# KiCad board panel_50_1.kicad_pcb (continued)
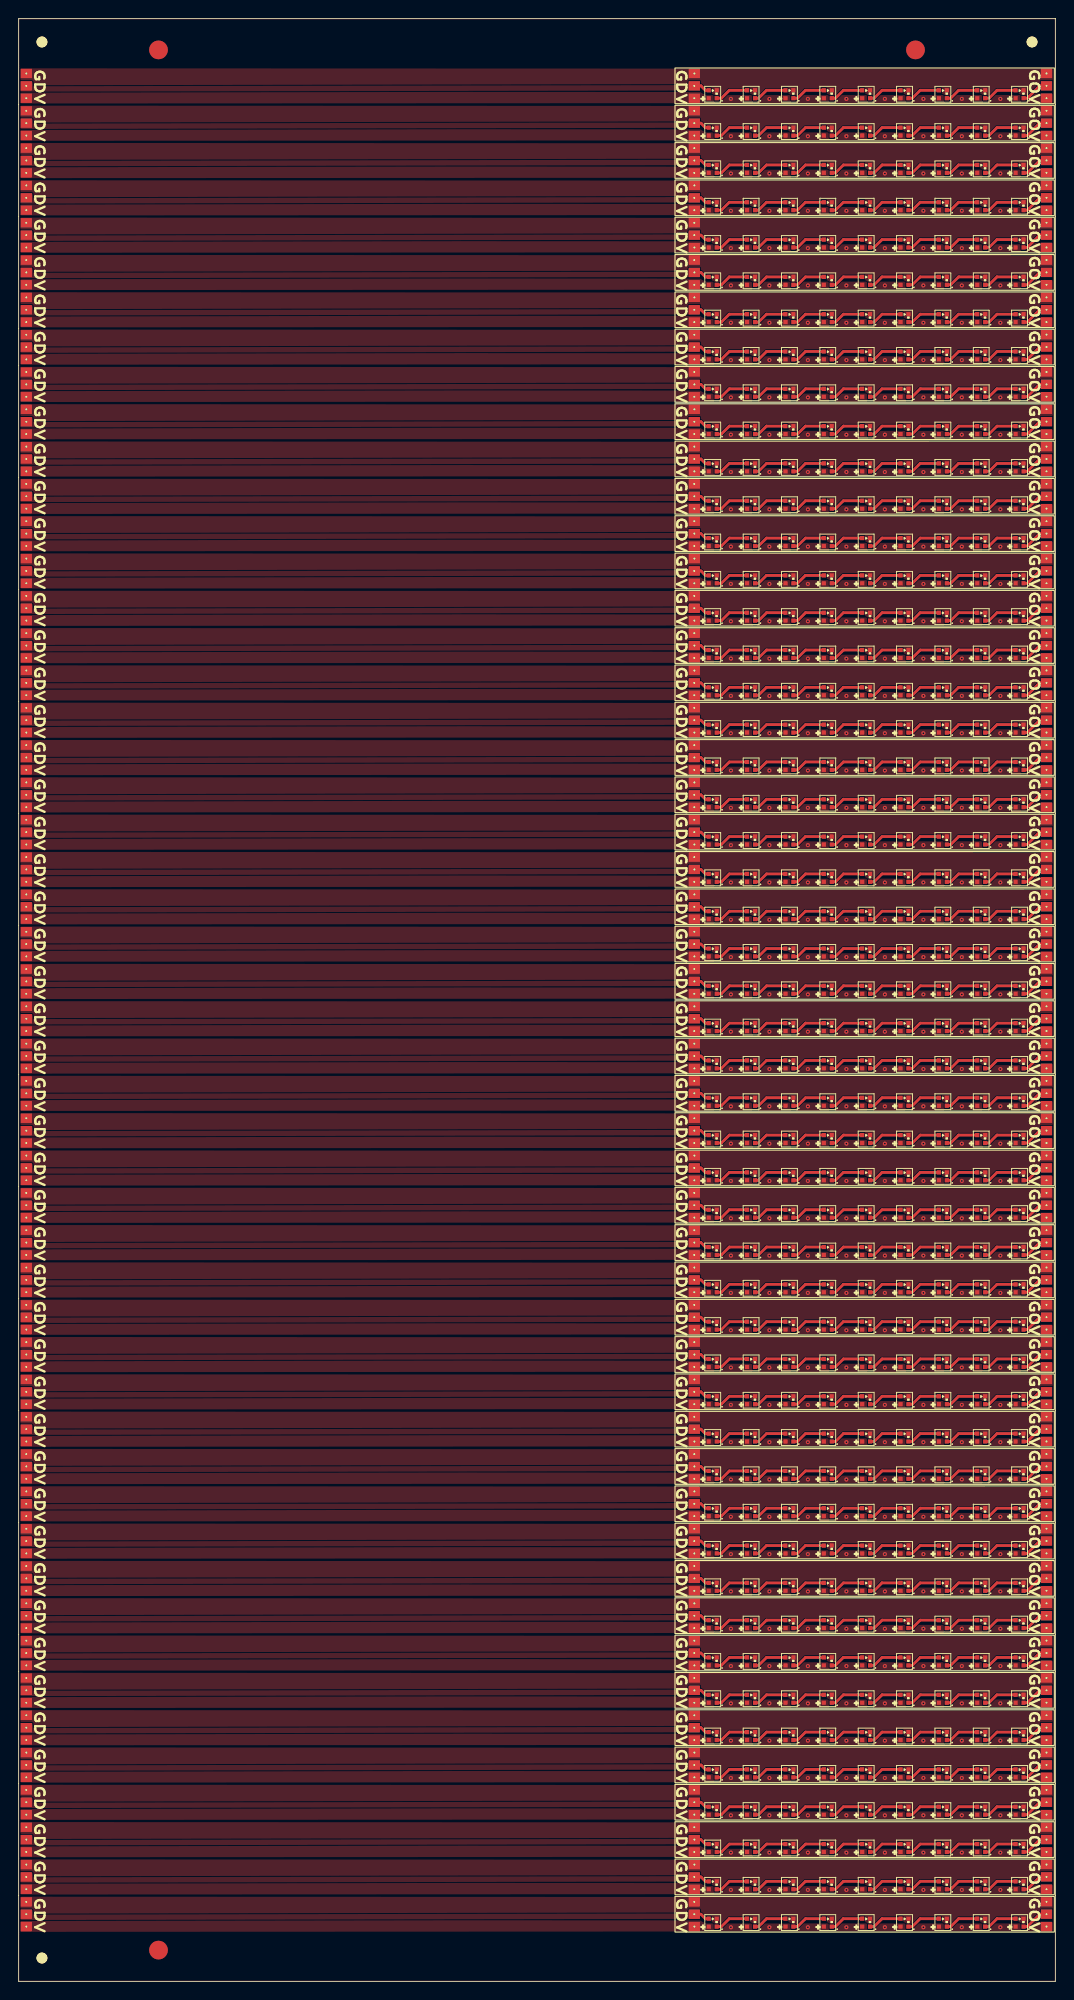
[diagram p0: board, top side]
## Library data of the parts
J1 J1#2-J1#50 J2 J2#2-J2#50 J3 J3#2-J3#50 J4 J4#2-J4#50 J5 J5#2-J5#50 J6 J6#2-J6#50 J7 J7#2-J7#50 J8 J8#2-J8#50 J9 J9#2-J9#50 = -: Description: Generic connector, single row, 01x01, script generated (kicad-library-utils/schlib/autogen/connector/)
U1 U1#2-U1#9 U1#12 U1#18 U1#24 U1#27-U1#29 U1#36 U1#42-U1#45 U1#48 U2 U2#2 U2#3 U2#8 U2#9 U2#13 U2#14 U2#18 U2#19 U2#24 U2#25 U2#29-U2#31 U2#33-U2#35 U2#38-U2#41 U2#43 U2#47 U2#50 U3 U3#3 U3#5 U3#6 U3#8 U3#10-U3#12 U3#18 U3#20 U3#22-U3#24 U3#26 U3#27 U3#32-U3#34 U3#38 U3#39 U3#42-U3#44 U3#47 U3#49 U3#50 U4 U4#2 U4#3 U4#8 U4#10 U4#12 U4#15 U4#16 U4#18 U4#20 U4#22 U4#23 U4#26 U4#27 U4#29 U4#30 U4#32 U4#37 U4#38 U4#43 U4#45-U4#49 U5#3 U5#4 U5#6-U5#11 U5#13 U5#14 U5#17 U5#20-U5#24 U5#28 U5#30-U5#33 U5#36 U5#38 U5#39 U5#43 U5#44 U5#46 U5#47 U5#49 U6 U6#3 U6#4 U6#6 U6#8 U6#9 U6#11 U6#13 U6#15 U6#18 U6#20 U6#22 U6#23 U6#26 U6#28 U6#31 U6#34 U6#38 U6#42 U6#44-U6#47 U6#50 U7 U7#2-U7#4 U7#6 U7#7 U7#10 U7#15 U7#16 U7#18-U7#21 U7#24 U7#28 U7#30 U7#33 U7#35-U7#37 U7#39 U7#40 U7#43 U7#44 U7#47-U7#50 U8#6-U8#8 U8#14-U8#16 U8#18 U8#20-U8#22 U8#25 U8#29 U8#32 U8#35-U8#38 U8#44 U8#46 U8#50 U9 U9#2 U9#4-U9#9 U9#14 U9#19 U9#20 U9#22 U9#23 U9#26-U9#31 U9#33 U9#35-U9#41 U9#45 U9#47 U9#49 = -: LCSC: C5349953; SuppliersPartNumber: C5349953; uuid: std:b345638697f54fed94b7ee83c7589e6a; Field7: DO; Field8: DI
U1#10 U1#11 U1#13-U1#17 U1#19-U1#23 U1#25 U1#26 U1#30-U1#35 U1#37-U1#41 U1#46 U1#47 U1#49 U1#50 U2#4-U2#7 U2#10-U2#12 U2#15-U2#17 U2#20-U2#23 U2#26-U2#28 U2#32 U2#36 U2#37 U2#42 U2#44-U2#46 U2#48 U2#49 U3#2 U3#4 U3#7 U3#9 U3#13-U3#17 U3#19 U3#21 U3#25 U3#28-U3#31 U3#35-U3#37 U3#40 U3#41 U3#45 U3#46 U3#48 U4#4-U4#7 U4#9 U4#11 U4#13 U4#14 U4#17 U4#19 U4#21 U4#24 U4#25 U4#28 U4#31 U4#33-U4#36 U4#39-U4#42 U4#44 U4#50 U5 U5#2 U5#5 U5#12 U5#15 U5#16 U5#18 U5#19 U5#25-U5#27 U5#29 U5#34 U5#35 U5#37 U5#40-U5#42 U5#45 U5#48 U5#50 U6#2 U6#5 U6#7 U6#10 U6#12 U6#14 U6#16 U6#17 U6#19 U6#21 U6#24 U6#25 U6#27 U6#29 U6#30 U6#32 U6#33 U6#35-U6#37 U6#39-U6#41 U6#43 U6#48 U6#49 U7#5 U7#8 U7#9 U7#11-U7#14 U7#17 U7#22 U7#23 U7#25-U7#27 U7#29 U7#31 U7#32 U7#34 U7#38 U7#41 U7#42 U7#45 U7#46 U8 U8#2-U8#5 U8#9-U8#13 U8#17 U8#19 U8#23 U8#24 U8#26-U8#28 U8#30 U8#31 U8#33 U8#34 U8#39-U8#43 U8#45 U8#47-U8#49 U9#3 U9#10-U9#13 U9#15-U9#18 U9#21 U9#24 U9#25 U9#32 U9#34 U9#42-U9#44 U9#46 U9#48 U9#50 = -: LCSC: C5349953; SuppliersPartNumber: C5349953; uuid: std:b345638697f54fed94b7ee83c7589e6a; Field7: DI; Field8: DO

## Footprints (pads in the part's own frame, mm; a bottom-side part is the same pattern mirrored in y, then rotated)
Fiducial
  round 2 smd: (0,0)
LED-SMD_4P-L1.0-W1.0-TL_XL-1010RGBC-WS2812B
  rect 0.45x0.45 smd: 1(-0.425,0.425) 2(0.425,0.425) 3(-0.425,-0.425) 4(0.425,-0.425)
NPTH
  round 1.152 hole 1.152 unplated: (0,0)
TH_Pads_1.2x1_P1.20mml
  rect 1.2x1 hole 0.2: 1(0,0)

## Nets
Board_0-+3V3: J1#19.1 J5#21.1 J7#39.1 U1#14.2 U2#46.2 U3#9.2 U4#33.2 U5#26.2 U6#37.2 U7#18.2 U8#3.2 U9#19.2
Board_0-GND: J2.1 J6#25.1 J8#36.1 U1#14.3 U2#46.3 U3#9.3 U4#33.3 U5#26.3 U6#37.3 U7#18.3 U8#3.3 U9#19.3
Board_0-LED_DATA: J3#39.1 J9#43.1 U1#14.4
Board_0-LED_OUT: J4#10.1 U9#19.1
Board_0-Net-(U1-DOUT): U1#14.1 U2#46.4
Board_0-Net-(U2-DOUT): U2#46.1 U3#9.4
Board_0-Net-(U3-DOUT): U3#9.1 U4#33.4
Board_0-Net-(U4-DOUT): U4#33.1 U5#26.4
Board_0-Net-(U5-DOUT): U5#26.1 U6#37.4
Board_0-Net-(U6-DOUT): U6#37.1 U7#18.4
Board_0-Net-(U7-DOUT): U7#18.1 U8#3.4
Board_0-Net-(U8-DOUT): U8#3.1 U9#19.4
Board_1-+3V3: J1.1 J5#12.1 J7#34.1 U1#34.2 U2#13.2 U3#46.2 U4#41.2 U5#2.2 U6#35.2 U7#14.2 U8#45.2 U9#46.2
Board_1-GND: J2#10.1 J6#45.1 J8#6.1 U1#34.3 U2#13.3 U3#46.3 U4#41.3 U5#2.3 U6#35.3 U7#14.3 U8#45.3 U9#46.3
Board_1-LED_DATA: J3#20.1 J9#32.1 U1#34.4
Board_1-LED_OUT: J4#45.1 U9#46.1
Board_1-Net-(U1-DOUT): U1#34.1 U2#13.4
Board_1-Net-(U2-DOUT): U2#13.1 U3#46.4
Board_1-Net-(U3-DOUT): U3#46.1 U4#41.4
Board_1-Net-(U4-DOUT): U4#41.1 U5#2.4
Board_1-Net-(U5-DOUT): U5#2.1 U6#35.4
Board_1-Net-(U6-DOUT): U6#35.1 U7#14.4
Board_1-Net-(U7-DOUT): U7#14.1 U8#45.4
Board_1-Net-(U8-DOUT): U8#45.1 U9#46.4
Board_2-+3V3: J1#30.1 J5#40.1 J7#18.1 U1#29.2 U2#2.2 U3#24.2 U4#40.2 U5#12.2 U6#7.2 U7#28.2 U8#18.2 U9#45.2
Board_2-GND: J2#13.1 J6#41.1 J8#14.1 U1#29.3 U2#2.3 U3#24.3 U4#40.3 U5#12.3 U6#7.3 U7#28.3 U8#18.3 U9#45.3
Board_2-LED_DATA: J3#6.1 J9#45.1 U1#29.4
Board_2-LED_OUT: J4#40.1 U9#45.1
Board_2-Net-(U1-DOUT): U1#29.1 U2#2.4
Board_2-Net-(U2-DOUT): U2#2.1 U3#24.4
Board_2-Net-(U3-DOUT): U3#24.1 U4#40.4
Board_2-Net-(U4-DOUT): U4#40.1 U5#12.4
Board_2-Net-(U5-DOUT): U5#12.1 U6#7.4
Board_2-Net-(U6-DOUT): U6#7.1 U7#28.4
Board_2-Net-(U7-DOUT): U7#28.1 U8#18.4
Board_2-Net-(U8-DOUT): U8#18.1 U9#45.4
Board_3-+3V3: J1#47.1 J5#7.1 J7#36.1 U1#39.2 U2#50.2 U3#45.2 U4#7.2 U5#23.2 U6#14.2 U7#49.2 U8#34.2 U9#30.2
Board_3-GND: J2#18.1 J6#14.1 J8#2.1 U1#39.3 U2#50.3 U3#45.3 U4#7.3 U5#23.3 U6#14.3 U7#49.3 U8#34.3 U9#30.3
Board_3-LED_DATA: J3#13.1 J9#29.1 U1#39.4
Board_3-LED_OUT: J4#33.1 U9#30.1
Board_3-Net-(U1-DOUT): U1#39.1 U2#50.4
Board_3-Net-(U2-DOUT): U2#50.1 U3#45.4
Board_3-Net-(U3-DOUT): U3#45.1 U4#7.4
Board_3-Net-(U4-DOUT): U4#7.1 U5#23.4
Board_3-Net-(U5-DOUT): U5#23.1 U6#14.4
Board_3-Net-(U6-DOUT): U6#14.1 U7#49.4
Board_3-Net-(U7-DOUT): U7#49.1 U8#34.4
Board_3-Net-(U8-DOUT): U8#34.1 U9#30.4
Board_4-+3V3: J1#33.1 J5#38.1 J7#40.1 U1.2 U2#48.2 U3#25.2 U4#2.2 U5#38.2 U6#49.2 U7#8.2 U8#5.2 U9#15.2
Board_4-GND: J2#8.1 J6#18.1 J8#16.1 U1.3 U2#48.3 U3#25.3 U4#2.3 U5#38.3 U6#49.3 U7#8.3 U8#5.3 U9#15.3
Board_4-LED_DATA: J3#48.1 J9#25.1 U1.4
Board_4-LED_OUT: J4#27.1 U9#15.1
Board_4-Net-(U1-DOUT): U1.1 U2#48.4
Board_4-Net-(U2-DOUT): U2#48.1 U3#25.4
Board_4-Net-(U3-DOUT): U3#25.1 U4#2.4
Board_4-Net-(U4-DOUT): U4#2.1 U5#38.4
Board_4-Net-(U5-DOUT): U5#38.1 U6#49.4
Board_4-Net-(U6-DOUT): U6#49.1 U7#8.4
Board_4-Net-(U7-DOUT): U7#8.1 U8#5.4
Board_4-Net-(U8-DOUT): U8#5.1 U9#15.4
Board_5-+3V3: J1#15.1 J5#23.1 J7#47.1 U1#45.2 U2.2 U3#26.2 U4#13.2 U5#48.2 U6#42.2 U7#10.2 U8.2 U9#35.2
Board_5-GND: J2#14.1 J6#16.1 J8#41.1 U1#45.3 U2.3 U3#26.3 U4#13.3 U5#48.3 U6#42.3 U7#10.3 U8.3 U9#35.3
Board_5-LED_DATA: J3#34.1 J9#13.1 U1#45.4
Board_5-LED_OUT: J4#9.1 U9#35.1
Board_5-Net-(U1-DOUT): U1#45.1 U2.4
Board_5-Net-(U2-DOUT): U2.1 U3#26.4
Board_5-Net-(U3-DOUT): U3#26.1 U4#13.4
Board_5-Net-(U4-DOUT): U4#13.1 U5#48.4
Board_5-Net-(U5-DOUT): U5#48.1 U6#42.4
Board_5-Net-(U6-DOUT): U6#42.1 U7#10.4
Board_5-Net-(U7-DOUT): U7#10.1 U8.4
Board_5-Net-(U8-DOUT): U8.1 U9#35.4
Board_6-+3V3: J1#38.1 J5#50.1 J7#37.1 U1#11.2 U2#24.2 U3#17.2 U4#17.2 U5#10.2 U6.2 U7#36.2 U8#37.2 U9#27.2
Board_6-GND: J2#4.1 J6#26.1 J8#18.1 U1#11.3 U2#24.3 U3#17.3 U4#17.3 U5#10.3 U6.3 U7#36.3 U8#37.3 U9#27.3
Board_6-LED_DATA: J3#23.1 J9#20.1 U1#11.4
Board_6-LED_OUT: J4#5.1 U9#27.1
Board_6-Net-(U1-DOUT): U1#11.1 U2#24.4
Board_6-Net-(U2-DOUT): U2#24.1 U3#17.4
Board_6-Net-(U3-DOUT): U3#17.1 U4#17.4
Board_6-Net-(U4-DOUT): U4#17.1 U5#10.4
Board_6-Net-(U5-DOUT): U5#10.1 U6.4
Board_6-Net-(U6-DOUT): U6.1 U7#36.4
Board_6-Net-(U7-DOUT): U7#36.1 U8#37.4
Board_6-Net-(U8-DOUT): U8#37.1 U9#27.4
Board_7-+3V3: J1#18.1 J5#9.1 J7#49.1 U1#30.2 U2#23.2 U3#30.2 U4#49.2 U5.2 U6#41.2 U7.2 U8#17.2 U9#5.2
Board_7-GND: J2#32.1 J6#2.1 J8#17.1 U1#30.3 U2#23.3 U3#30.3 U4#49.3 U5.3 U6#41.3 U7.3 U8#17.3 U9#5.3
Board_7-LED_DATA: J3#26.1 J9#9.1 U1#30.4
Board_7-LED_OUT: J4#30.1 U9#5.1
Board_7-Net-(U1-DOUT): U1#30.1 U2#23.4
Board_7-Net-(U2-DOUT): U2#23.1 U3#30.4
Board_7-Net-(U3-DOUT): U3#30.1 U4#49.4
Board_7-Net-(U4-DOUT): U4#49.1 U5.4
Board_7-Net-(U5-DOUT): U5.1 U6#41.4
Board_7-Net-(U6-DOUT): U6#41.1 U7.4
Board_7-Net-(U7-DOUT): U7.1 U8#17.4
Board_7-Net-(U8-DOUT): U8#17.1 U9#5.4
Board_8-+3V3: J1#25.1 J5#49.1 J7#50.1 U1#15.2 U2#16.2 U3#38.2 U4#43.2 U5#17.2 U6#8.2 U7#19.2 U8#16.2 U9#22.2
Board_8-GND: J2#41.1 J6#9.1 J8#32.1 U1#15.3 U2#16.3 U3#38.3 U4#43.3 U5#17.3 U6#8.3 U7#19.3 U8#16.3 U9#22.3
Board_8-LED_DATA: J3#32.1 J9#47.1 U1#15.4
Board_8-LED_OUT: J4#32.1 U9#22.1
Board_8-Net-(U1-DOUT): U1#15.1 U2#16.4
Board_8-Net-(U2-DOUT): U2#16.1 U3#38.4
Board_8-Net-(U3-DOUT): U3#38.1 U4#43.4
Board_8-Net-(U4-DOUT): U4#43.1 U5#17.4
Board_8-Net-(U5-DOUT): U5#17.1 U6#8.4
Board_8-Net-(U6-DOUT): U6#8.1 U7#19.4
Board_8-Net-(U7-DOUT): U7#19.1 U8#16.4
Board_8-Net-(U8-DOUT): U8#16.1 U9#22.4
Board_9-+3V3: J1#43.1 J5#36.1 J7#10.1 U1#46.2 U2#3.2 U3#39.2 U4#29.2 U5#31.2 U6#6.2 U7#41.2 U8#6.2 U9#28.2
Board_9-GND: J2#46.1 J6#21.1 J8#34.1 U1#46.3 U2#3.3 U3#39.3 U4#29.3 U5#31.3 U6#6.3 U7#41.3 U8#6.3 U9#28.3
Board_9-LED_DATA: J3#15.1 J9#46.1 U1#46.4
Board_9-LED_OUT: J4#31.1 U9#28.1
Board_9-Net-(U1-DOUT): U1#46.1 U2#3.4
Board_9-Net-(U2-DOUT): U2#3.1 U3#39.4
Board_9-Net-(U3-DOUT): U3#39.1 U4#29.4
Board_9-Net-(U4-DOUT): U4#29.1 U5#31.4
Board_9-Net-(U5-DOUT): U5#31.1 U6#6.4
Board_9-Net-(U6-DOUT): U6#6.1 U7#41.4
Board_9-Net-(U7-DOUT): U7#41.1 U8#6.4
Board_9-Net-(U8-DOUT): U8#6.1 U9#28.4
Board_10-+3V3: J1#42.1 J5#35.1 J7#20.1 U1#9.2 U2#10.2 U3#43.2 U4#39.2 U5#15.2 U6#17.2 U7#5.2 U8#21.2 U9.2
Board_10-GND: J2#11.1 J6#40.1 J8#11.1 U1#9.3 U2#10.3 U3#43.3 U4#39.3 U5#15.3 U6#17.3 U7#5.3 U8#21.3 U9.3
Board_10-LED_DATA: J3#35.1 J9#36.1 U1#9.4
Board_10-LED_OUT: J4#48.1 U9.1
Board_10-Net-(U1-DOUT): U1#9.1 U2#10.4
Board_10-Net-(U2-DOUT): U2#10.1 U3#43.4
Board_10-Net-(U3-DOUT): U3#43.1 U4#39.4
Board_10-Net-(U4-DOUT): U4#39.1 U5#15.4
Board_10-Net-(U5-DOUT): U5#15.1 U6#17.4
Board_10-Net-(U6-DOUT): U6#17.1 U7#5.4
Board_10-Net-(U7-DOUT): U7#5.1 U8#21.4
Board_10-Net-(U8-DOUT): U8#21.1 U9.4
Board_11-+3V3: J1#5.1 J5#33.1 J7#11.1 U1#28.2 U2#34.2 U3#32.2 U4#37.2 U5#39.2 U6#26.2 U7#43.2 U8#40.2 U9#37.2
Board_11-GND: J2#7.1 J6#5.1 J8#30.1 U1#28.3 U2#34.3 U3#32.3 U4#37.3 U5#39.3 U6#26.3 U7#43.3 U8#40.3 U9#37.3
Board_11-LED_DATA: J3#38.1 J9#44.1 U1#28.4
Board_11-LED_OUT: J4#49.1 U9#37.1
Board_11-Net-(U1-DOUT): U1#28.1 U2#34.4
Board_11-Net-(U2-DOUT): U2#34.1 U3#32.4
Board_11-Net-(U3-DOUT): U3#32.1 U4#37.4
Board_11-Net-(U4-DOUT): U4#37.1 U5#39.4
Board_11-Net-(U5-DOUT): U5#39.1 U6#26.4
Board_11-Net-(U6-DOUT): U6#26.1 U7#43.4
Board_11-Net-(U7-DOUT): U7#43.1 U8#40.4
Board_11-Net-(U8-DOUT): U8#40.1 U9#37.4
Board_12-+3V3: J1#29.1 J5#34.1 J7#8.1 U1#12.2 U2#18.2 U3#48.2 U4#30.2 U5#49.2 U6#22.2 U7#17.2 U8#29.2 U9#7.2
Board_12-GND: J2#28.1 J6#47.1 J8#12.1 U1#12.3 U2#18.3 U3#48.3 U4#30.3 U5#49.3 U6#22.3 U7#17.3 U8#29.3 U9#7.3
Board_12-LED_DATA: J3#2.1 J9#10.1 U1#12.4
Board_12-LED_OUT: J4#21.1 U9#7.1
Board_12-Net-(U1-DOUT): U1#12.1 U2#18.4
Board_12-Net-(U2-DOUT): U2#18.1 U3#48.4
Board_12-Net-(U3-DOUT): U3#48.1 U4#30.4
Board_12-Net-(U4-DOUT): U4#30.1 U5#49.4
Board_12-Net-(U5-DOUT): U5#49.1 U6#22.4
Board_12-Net-(U6-DOUT): U6#22.1 U7#17.4
Board_12-Net-(U7-DOUT): U7#17.1 U8#29.4
Board_12-Net-(U8-DOUT): U8#29.1 U9#7.4
Board_13-+3V3: J1#14.1 J5#11.1 J7#13.1 U1#31.2 U2#5.2 U3#50.2 U4#5.2 U5#34.2 U6#40.2 U7#33.2 U8#11.2 U9#48.2
Board_13-GND: J2#37.1 J6#31.1 J8#44.1 U1#31.3 U2#5.3 U3#50.3 U4#5.3 U5#34.3 U6#40.3 U7#33.3 U8#11.3 U9#48.3
Board_13-LED_DATA: J3#24.1 J9#15.1 U1#31.4
Board_13-LED_OUT: J4#35.1 U9#48.1
Board_13-Net-(U1-DOUT): U1#31.1 U2#5.4
Board_13-Net-(U2-DOUT): U2#5.1 U3#50.4
Board_13-Net-(U3-DOUT): U3#50.1 U4#5.4
Board_13-Net-(U4-DOUT): U4#5.1 U5#34.4
Board_13-Net-(U5-DOUT): U5#34.1 U6#40.4
Board_13-Net-(U6-DOUT): U6#40.1 U7#33.4
Board_13-Net-(U7-DOUT): U7#33.1 U8#11.4
Board_13-Net-(U8-DOUT): U8#11.1 U9#48.4
Board_14-+3V3: J1#22.1 J5#10.1 J7#2.1 U1#4.2 U2#7.2 U3#41.2 U4#26.2 U5#4.2 U6#27.2 U7#25.2 U8#26.2 U9#47.2
Board_14-GND: J2#39.1 J6#39.1 J8#22.1 U1#4.3 U2#7.3 U3#41.3 U4#26.3 U5#4.3 U6#27.3 U7#25.3 U8#26.3 U9#47.3
Board_14-LED_DATA: J3#7.1 J9#17.1 U1#4.4
Board_14-LED_OUT: J4#2.1 U9#47.1
Board_14-Net-(U1-DOUT): U1#4.1 U2#7.4
Board_14-Net-(U2-DOUT): U2#7.1 U3#41.4
Board_14-Net-(U3-DOUT): U3#41.1 U4#26.4
Board_14-Net-(U4-DOUT): U4#26.1 U5#4.4
Board_14-Net-(U5-DOUT): U5#4.1 U6#27.4
Board_14-Net-(U6-DOUT): U6#27.1 U7#25.4
Board_14-Net-(U7-DOUT): U7#25.1 U8#26.4
Board_14-Net-(U8-DOUT): U8#26.1 U9#47.4
Board_15-+3V3: J1#32.1 J5#6.1 J7#14.1 U1#7.2 U2#26.2 U3#10.2 U4.2 U5#29.2 U6#19.2 U7#3.2 U8#39.2 U9#50.2
Board_15-GND: J2#21.1 J6#17.1 J8#4.1 U1#7.3 U2#26.3 U3#10.3 U4.3 U5#29.3 U6#19.3 U7#3.3 U8#39.3 U9#50.3
Board_15-LED_DATA: J3#21.1 J9#11.1 U1#7.4
Board_15-LED_OUT: J4#23.1 U9#50.1
Board_15-Net-(U1-DOUT): U1#7.1 U2#26.4
Board_15-Net-(U2-DOUT): U2#26.1 U3#10.4
Board_15-Net-(U3-DOUT): U3#10.1 U4.4
Board_15-Net-(U4-DOUT): U4.1 U5#29.4
Board_15-Net-(U5-DOUT): U5#29.1 U6#19.4
Board_15-Net-(U6-DOUT): U6#19.1 U7#3.4
Board_15-Net-(U7-DOUT): U7#3.1 U8#39.4
Board_15-Net-(U8-DOUT): U8#39.1 U9#50.4
Board_16-+3V3: J1#34.1 J5#27.1 J7.1 U1#24.2 U2#6.2 U3#12.2 U4#12.2 U5#24.2 U6#3.2 U7#50.2 U8#35.2 U9#24.2
Board_16-GND: J2#49.1 J6#24.1 J8#43.1 U1#24.3 U2#6.3 U3#12.3 U4#12.3 U5#24.3 U6#3.3 U7#50.3 U8#35.3 U9#24.3
Board_16-LED_DATA: J3#29.1 J9#30.1 U1#24.4
Board_16-LED_OUT: J4#12.1 U9#24.1
Board_16-Net-(U1-DOUT): U1#24.1 U2#6.4
Board_16-Net-(U2-DOUT): U2#6.1 U3#12.4
Board_16-Net-(U3-DOUT): U3#12.1 U4#12.4
Board_16-Net-(U4-DOUT): U4#12.1 U5#24.4
Board_16-Net-(U5-DOUT): U5#24.1 U6#3.4
Board_16-Net-(U6-DOUT): U6#3.1 U7#50.4
Board_16-Net-(U7-DOUT): U7#50.1 U8#35.4
Board_16-Net-(U8-DOUT): U8#35.1 U9#24.4
Board_17-+3V3: J1#20.1 J5#22.1 J7#35.1 U1#40.2 U2#17.2 U3.2 U4#15.2 U5#50.2 U6#50.2 U7#2.2 U8#25.2 U9#36.2
Board_17-GND: J2#26.1 J6#38.1 J8#49.1 U1#40.3 U2#17.3 U3.3 U4#15.3 U5#50.3 U6#50.3 U7#2.3 U8#25.3 U9#36.3
Board_17-LED_DATA: J3#37.1 J9#26.1 U1#40.4
Board_17-LED_OUT: J4#44.1 U9#36.1
Board_17-Net-(U1-DOUT): U1#40.1 U2#17.4
Board_17-Net-(U2-DOUT): U2#17.1 U3.4
Board_17-Net-(U3-DOUT): U3.1 U4#15.4
Board_17-Net-(U4-DOUT): U4#15.1 U5#50.4
Board_17-Net-(U5-DOUT): U5#50.1 U6#50.4
Board_17-Net-(U6-DOUT): U6#50.1 U7#2.4
Board_17-Net-(U7-DOUT): U7#2.1 U8#25.4
Board_17-Net-(U8-DOUT): U8#25.1 U9#36.4
Board_18-+3V3: J1#8.1 J5#46.1 J7#24.1 U1#43.2 U2#30.2 U3#16.2 U4#18.2 U5#16.2 U6#10.2 U7#11.2 U8#27.2 U9#49.2
Board_18-GND: J2#40.1 J6#42.1 J8#7.1 U1#43.3 U2#30.3 U3#16.3 U4#18.3 U5#16.3 U6#10.3 U7#11.3 U8#27.3 U9#49.3
Board_18-LED_DATA: J3#33.1 J9#31.1 U1#43.4
Board_18-LED_OUT: J4#6.1 U9#49.1
Board_18-Net-(U1-DOUT): U1#43.1 U2#30.4
Board_18-Net-(U2-DOUT): U2#30.1 U3#16.4
Board_18-Net-(U3-DOUT): U3#16.1 U4#18.4
Board_18-Net-(U4-DOUT): U4#18.1 U5#16.4
Board_18-Net-(U5-DOUT): U5#16.1 U6#10.4
Board_18-Net-(U6-DOUT): U6#10.1 U7#11.4
Board_18-Net-(U7-DOUT): U7#11.1 U8#27.4
Board_18-Net-(U8-DOUT): U8#27.1 U9#49.4
Board_19-+3V3: J1#28.1 J5#5.1 J7#23.1 U1#26.2 U2#25.2 U3#35.2 U4#50.2 U5#13.2 U6#31.2 U7#26.2 U8#30.2 U9#3.2
Board_19-GND: J2#9.1 J6#48.1 J8#28.1 U1#26.3 U2#25.3 U3#35.3 U4#50.3 U5#13.3 U6#31.3 U7#26.3 U8#30.3 U9#3.3
Board_19-LED_DATA: J3#31.1 J9#6.1 U1#26.4
Board_19-LED_OUT: J4#38.1 U9#3.1
Board_19-Net-(U1-DOUT): U1#26.1 U2#25.4
Board_19-Net-(U2-DOUT): U2#25.1 U3#35.4
Board_19-Net-(U3-DOUT): U3#35.1 U4#50.4
Board_19-Net-(U4-DOUT): U4#50.1 U5#13.4
Board_19-Net-(U5-DOUT): U5#13.1 U6#31.4
Board_19-Net-(U6-DOUT): U6#31.1 U7#26.4
Board_19-Net-(U7-DOUT): U7#26.1 U8#30.4
Board_19-Net-(U8-DOUT): U8#30.1 U9#3.4
Board_20-+3V3: J1#10.1 J5#39.1 J7#3.1 U1#44.2 U2#45.2 U3#42.2 U4#46.2 U5#41.2 U6#18.2 U7#42.2 U8#2.2 U9#6.2
Board_20-GND: J2#31.1 J6#7.1 J8#25.1 U1#44.3 U2#45.3 U3#42.3 U4#46.3 U5#41.3 U6#18.3 U7#42.3 U8#2.3 U9#6.3
Board_20-LED_DATA: J3#10.1 J9#3.1 U1#44.4
Board_20-LED_OUT: J4#50.1 U9#6.1
Board_20-Net-(U1-DOUT): U1#44.1 U2#45.4
Board_20-Net-(U2-DOUT): U2#45.1 U3#42.4
Board_20-Net-(U3-DOUT): U3#42.1 U4#46.4
Board_20-Net-(U4-DOUT): U4#46.1 U5#41.4
Board_20-Net-(U5-DOUT): U5#41.1 U6#18.4
Board_20-Net-(U6-DOUT): U6#18.1 U7#42.4
Board_20-Net-(U7-DOUT): U7#42.1 U8#2.4
Board_20-Net-(U8-DOUT): U8#2.1 U9#6.4
Board_21-+3V3: J1#40.1 J5.1 J7#6.1 U1#27.2 U2#32.2 U3#40.2 U4#28.2 U5#42.2 U6#34.2 U7#35.2 U8#49.2 U9#2.2
Board_21-GND: J2#35.1 J6#6.1 J8#20.1 U1#27.3 U2#32.3 U3#40.3 U4#28.3 U5#42.3 U6#34.3 U7#35.3 U8#49.3 U9#2.3
Board_21-LED_DATA: J3#25.1 J9#34.1 U1#27.4
Board_21-LED_OUT: J4.1 U9#2.1
Board_21-Net-(U1-DOUT): U1#27.1 U2#32.4
Board_21-Net-(U2-DOUT): U2#32.1 U3#40.4
Board_21-Net-(U3-DOUT): U3#40.1 U4#28.4
Board_21-Net-(U4-DOUT): U4#28.1 U5#42.4
Board_21-Net-(U5-DOUT): U5#42.1 U6#34.4
Board_21-Net-(U6-DOUT): U6#34.1 U7#35.4
Board_21-Net-(U7-DOUT): U7#35.1 U8#49.4
Board_21-Net-(U8-DOUT): U8#49.1 U9#2.4
Board_22-+3V3: J1#48.1 J5#30.1 J7#43.1 U1#41.2 U2#31.2 U3#44.2 U4#4.2 U5#20.2 U6#33.2 U7#21.2 U8#4.2 U9#34.2
Board_22-GND: J2#43.1 J6#12.1 J8#27.1 U1#41.3 U2#31.3 U3#44.3 U4#4.3 U5#20.3 U6#33.3 U7#21.3 U8#4.3 U9#34.3
Board_22-LED_DATA: J3#4.1 J9#39.1 U1#41.4
Board_22-LED_OUT: J4#37.1 U9#34.1
Board_22-Net-(U1-DOUT): U1#41.1 U2#31.4
Board_22-Net-(U2-DOUT): U2#31.1 U3#44.4
Board_22-Net-(U3-DOUT): U3#44.1 U4#4.4
Board_22-Net-(U4-DOUT): U4#4.1 U5#20.4
Board_22-Net-(U5-DOUT): U5#20.1 U6#33.4
Board_22-Net-(U6-DOUT): U6#33.1 U7#21.4
Board_22-Net-(U7-DOUT): U7#21.1 U8#4.4
Board_22-Net-(U8-DOUT): U8#4.1 U9#34.4
Board_23-+3V3: J1#36.1 J5#43.1 J7#15.1 U1#3.2 U2#49.2 U3#21.2 U4#19.2 U5#18.2 U6#29.2 U7#32.2 U8#15.2 U9#18.2
Board_23-GND: J2#24.1 J6#34.1 J8#24.1 U1#3.3 U2#49.3 U3#21.3 U4#19.3 U5#18.3 U6#29.3 U7#32.3 U8#15.3 U9#18.3
Board_23-LED_DATA: J3#12.1 J9#41.1 U1#3.4
Board_23-LED_OUT: J4#39.1 U9#18.1
Board_23-Net-(U1-DOUT): U1#3.1 U2#49.4
Board_23-Net-(U2-DOUT): U2#49.1 U3#21.4
Board_23-Net-(U3-DOUT): U3#21.1 U4#19.4
Board_23-Net-(U4-DOUT): U4#19.1 U5#18.4
Board_23-Net-(U5-DOUT): U5#18.1 U6#29.4
Board_23-Net-(U6-DOUT): U6#29.1 U7#32.4
Board_23-Net-(U7-DOUT): U7#32.1 U8#15.4
Board_23-Net-(U8-DOUT): U8#15.1 U9#18.4
Board_24-+3V3: J1#7.1 J5#28.1 J7#28.1 U1#2.2 U2#27.2 U3#2.2 U4#20.2 U5#43.2 U6#9.2 U7#9.2 U8#50.2 U9#8.2
Board_24-GND: J2#2.1 J6#32.1 J8#31.1 U1#2.3 U2#27.3 U3#2.3 U4#20.3 U5#43.3 U6#9.3 U7#9.3 U8#50.3 U9#8.3
Board_24-LED_DATA: J3#14.1 J9#42.1 U1#2.4
Board_24-LED_OUT: J4#7.1 U9#8.1
Board_24-Net-(U1-DOUT): U1#2.1 U2#27.4
Board_24-Net-(U2-DOUT): U2#27.1 U3#2.4
Board_24-Net-(U3-DOUT): U3#2.1 U4#20.4
Board_24-Net-(U4-DOUT): U4#20.1 U5#43.4
Board_24-Net-(U5-DOUT): U5#43.1 U6#9.4
Board_24-Net-(U6-DOUT): U6#9.1 U7#9.4
Board_24-Net-(U7-DOUT): U7#9.1 U8#50.4
Board_24-Net-(U8-DOUT): U8#50.1 U9#8.4
Board_25-+3V3: J1#24.1 J5#24.1 J7#45.1 U1#19.2 U2#36.2 U3#37.2 U4#14.2 U5#32.2 U6#30.2 U7#29.2 U8#14.2 U9#12.2
Board_25-GND: J2#34.1 J6#36.1 J8#38.1 U1#19.3 U2#36.3 U3#37.3 U4#14.3 U5#32.3 U6#30.3 U7#29.3 U8#14.3 U9#12.3
Board_25-LED_DATA: J3#27.1 J9#12.1 U1#19.4
Board_25-LED_OUT: J4#25.1 U9#12.1
Board_25-Net-(U1-DOUT): U1#19.1 U2#36.4
Board_25-Net-(U2-DOUT): U2#36.1 U3#37.4
Board_25-Net-(U3-DOUT): U3#37.1 U4#14.4
Board_25-Net-(U4-DOUT): U4#14.1 U5#32.4
Board_25-Net-(U5-DOUT): U5#32.1 U6#30.4
Board_25-Net-(U6-DOUT): U6#30.1 U7#29.4
Board_25-Net-(U7-DOUT): U7#29.1 U8#14.4
Board_25-Net-(U8-DOUT): U8#14.1 U9#12.4
Board_26-+3V3: J1#9.1 J5#44.1 J7#25.1 U1#36.2 U2#19.2 U3#31.2 U4#27.2 U5#47.2 U6#39.2 U7#15.2 U8#47.2 U9#25.2
Board_26-GND: J2#30.1 J6#8.1 J8#33.1 U1#36.3 U2#19.3 U3#31.3 U4#27.3 U5#47.3 U6#39.3 U7#15.3 U8#47.3 U9#25.3
Board_26-LED_DATA: J3#49.1 J9#38.1 U1#36.4
Board_26-LED_OUT: J4#28.1 U9#25.1
Board_26-Net-(U1-DOUT): U1#36.1 U2#19.4
Board_26-Net-(U2-DOUT): U2#19.1 U3#31.4
Board_26-Net-(U3-DOUT): U3#31.1 U4#27.4
Board_26-Net-(U4-DOUT): U4#27.1 U5#47.4
Board_26-Net-(U5-DOUT): U5#47.1 U6#39.4
Board_26-Net-(U6-DOUT): U6#39.1 U7#15.4
Board_26-Net-(U7-DOUT): U7#15.1 U8#47.4
Board_26-Net-(U8-DOUT): U8#47.1 U9#25.4
Board_27-+3V3: J1#35.1 J5#3.1 J7#31.1 U1#18.2 U2#12.2 U3#29.2 U4#22.2 U5#33.2 U6#16.2 U7#34.2 U8#36.2 U9#16.2
Board_27-GND: J2#23.1 J6#22.1 J8#42.1 U1#18.3 U2#12.3 U3#29.3 U4#22.3 U5#33.3 U6#16.3 U7#34.3 U8#36.3 U9#16.3
Board_27-LED_DATA: J3.1 J9#23.1 U1#18.4
Board_27-LED_OUT: J4#20.1 U9#16.1
Board_27-Net-(U1-DOUT): U1#18.1 U2#12.4
Board_27-Net-(U2-DOUT): U2#12.1 U3#29.4
Board_27-Net-(U3-DOUT): U3#29.1 U4#22.4
Board_27-Net-(U4-DOUT): U4#22.1 U5#33.4
Board_27-Net-(U5-DOUT): U5#33.1 U6#16.4
Board_27-Net-(U6-DOUT): U6#16.1 U7#34.4
Board_27-Net-(U7-DOUT): U7#34.1 U8#36.4
Board_27-Net-(U8-DOUT): U8#36.1 U9#16.4
Board_28-+3V3: J1#44.1 J5#18.1 J7#42.1 U1#47.2 U2#20.2 U3#8.2 U4#16.2 U5#9.2 U6#11.2 U7#38.2 U8#7.2 U9#21.2
Board_28-GND: J2#38.1 J6#46.1 J8#26.1 U1#47.3 U2#20.3 U3#8.3 U4#16.3 U5#9.3 U6#11.3 U7#38.3 U8#7.3 U9#21.3
Board_28-LED_DATA: J3#3.1 J9#37.1 U1#47.4
Board_28-LED_OUT: J4#34.1 U9#21.1
Board_28-Net-(U1-DOUT): U1#47.1 U2#20.4
Board_28-Net-(U2-DOUT): U2#20.1 U3#8.4
Board_28-Net-(U3-DOUT): U3#8.1 U4#16.4
Board_28-Net-(U4-DOUT): U4#16.1 U5#9.4
Board_28-Net-(U5-DOUT): U5#9.1 U6#11.4
Board_28-Net-(U6-DOUT): U6#11.1 U7#38.4
Board_28-Net-(U7-DOUT): U7#38.1 U8#7.4
Board_28-Net-(U8-DOUT): U8#7.1 U9#21.4
Board_29-+3V3: J1#2.1 J5#19.1 J7#19.1 U1#22.2 U2#33.2 U3#27.2 U4#8.2 U5#6.2 U6#45.2 U7#39.2 U8#10.2 U9#32.2
Board_29-GND: J2#3.1 J6#43.1 J8#29.1 U1#22.3 U2#33.3 U3#27.3 U4#8.3 U5#6.3 U6#45.3 U7#39.3 U8#10.3 U9#32.3
Board_29-LED_DATA: J3#44.1 J9#5.1 U1#22.4
Board_29-LED_OUT: J4#41.1 U9#32.1
Board_29-Net-(U1-DOUT): U1#22.1 U2#33.4
Board_29-Net-(U2-DOUT): U2#33.1 U3#27.4
Board_29-Net-(U3-DOUT): U3#27.1 U4#8.4
Board_29-Net-(U4-DOUT): U4#8.1 U5#6.4
Board_29-Net-(U5-DOUT): U5#6.1 U6#45.4
Board_29-Net-(U6-DOUT): U6#45.1 U7#39.4
Board_29-Net-(U7-DOUT): U7#39.1 U8#10.4
Board_29-Net-(U8-DOUT): U8#10.1 U9#32.4
Board_30-+3V3: J1#46.1 J5#29.1 J7#46.1 U1#33.2 U2#28.2 U3#14.2 U4#24.2 U5#30.2 U6#47.2 U7#20.2 U8#42.2 U9#26.2
Board_30-GND: J2#12.1 J6#49.1 J8#40.1 U1#33.3 U2#28.3 U3#14.3 U4#24.3 U5#30.3 U6#47.3 U7#20.3 U8#42.3 U9#26.3
Board_30-LED_DATA: J3#46.1 J9#48.1 U1#33.4
Board_30-LED_OUT: J4#18.1 U9#26.1
Board_30-Net-(U1-DOUT): U1#33.1 U2#28.4
Board_30-Net-(U2-DOUT): U2#28.1 U3#14.4
Board_30-Net-(U3-DOUT): U3#14.1 U4#24.4
Board_30-Net-(U4-DOUT): U4#24.1 U5#30.4
Board_30-Net-(U5-DOUT): U5#30.1 U6#47.4
Board_30-Net-(U6-DOUT): U6#47.1 U7#20.4
Board_30-Net-(U7-DOUT): U7#20.1 U8#42.4
Board_30-Net-(U8-DOUT): U8#42.1 U9#26.4
Board_31-+3V3: J1#37.1 J5#48.1 J7#27.1 U1#32.2 U2#4.2 U3#5.2 U4#6.2 U5#21.2 U6#46.2 U7#22.2 U8#20.2 U9#13.2
Board_31-GND: J2#44.1 J6#33.1 J8#19.1 U1#32.3 U2#4.3 U3#5.3 U4#6.3 U5#21.3 U6#46.3 U7#22.3 U8#20.3 U9#13.3
Board_31-LED_DATA: J3#28.1 J9#7.1 U1#32.4
Board_31-LED_OUT: J4#42.1 U9#13.1
Board_31-Net-(U1-DOUT): U1#32.1 U2#4.4
Board_31-Net-(U2-DOUT): U2#4.1 U3#5.4
Board_31-Net-(U3-DOUT): U3#5.1 U4#6.4
Board_31-Net-(U4-DOUT): U4#6.1 U5#21.4
Board_31-Net-(U5-DOUT): U5#21.1 U6#46.4
Board_31-Net-(U6-DOUT): U6#46.1 U7#22.4
Board_31-Net-(U7-DOUT): U7#22.1 U8#20.4
Board_31-Net-(U8-DOUT): U8#20.1 U9#13.4
Board_32-+3V3: J1#26.1 J5#15.1 J7#32.1 U1#6.2 U2#44.2 U3#47.2 U4#32.2 U5#5.2 U6#44.2 U7#23.2 U8#9.2 U9#20.2
Board_32-GND: J2#20.1 J6#10.1 J8#35.1 U1#6.3 U2#44.3 U3#47.3 U4#32.3 U5#5.3 U6#44.3 U7#23.3 U8#9.3 U9#20.3
Board_32-LED_DATA: J3#47.1 J9#22.1 U1#6.4
Board_32-LED_OUT: J4#46.1 U9#20.1
Board_32-Net-(U1-DOUT): U1#6.1 U2#44.4
Board_32-Net-(U2-DOUT): U2#44.1 U3#47.4
Board_32-Net-(U3-DOUT): U3#47.1 U4#32.4
Board_32-Net-(U4-DOUT): U4#32.1 U5#5.4
Board_32-Net-(U5-DOUT): U5#5.1 U6#44.4
Board_32-Net-(U6-DOUT): U6#44.1 U7#23.4
Board_32-Net-(U7-DOUT): U7#23.1 U8#9.4
Board_32-Net-(U8-DOUT): U8#9.1 U9#20.4
Board_33-+3V3: J1#49.1 J5#14.1 J7#22.1 U1#10.2 U2#14.2 U3#15.2 U4#25.2 U5#45.2 U6#48.2 U7#45.2 U8#24.2 U9#40.2
Board_33-GND: J2#5.1 J6#15.1 J8#15.1 U1#10.3 U2#14.3 U3#15.3 U4#25.3 U5#45.3 U6#48.3 U7#45.3 U8#24.3 U9#40.3
Board_33-LED_DATA: J3#45.1 J9#35.1 U1#10.4
Board_33-LED_OUT: J4#43.1 U9#40.1
Board_33-Net-(U1-DOUT): U1#10.1 U2#14.4
Board_33-Net-(U2-DOUT): U2#14.1 U3#15.4
Board_33-Net-(U3-DOUT): U3#15.1 U4#25.4
Board_33-Net-(U4-DOUT): U4#25.1 U5#45.4
Board_33-Net-(U5-DOUT): U5#45.1 U6#48.4
Board_33-Net-(U6-DOUT): U6#48.1 U7#45.4
Board_33-Net-(U7-DOUT): U7#45.1 U8#24.4
Board_33-Net-(U8-DOUT): U8#24.1 U9#40.4
Board_34-+3V3: J1#6.1 J5#8.1 J7#7.1 U1#49.2 U2#29.2 U3#28.2 U4#3.2 U5#22.2 U6#25.2 U7#7.2 U8#22.2 U9#11.2
Board_34-GND: J2#15.1 J6.1 J8#46.1 U1#49.3 U2#29.3 U3#28.3 U4#3.3 U5#22.3 U6#25.3 U7#7.3 U8#22.3 U9#11.3
Board_34-LED_DATA: J3#22.1 J9.1 U1#49.4
Board_34-LED_OUT: J4#17.1 U9#11.1
Board_34-Net-(U1-DOUT): U1#49.1 U2#29.4
Board_34-Net-(U2-DOUT): U2#29.1 U3#28.4
Board_34-Net-(U3-DOUT): U3#28.1 U4#3.4
Board_34-Net-(U4-DOUT): U4#3.1 U5#22.4
Board_34-Net-(U5-DOUT): U5#22.1 U6#25.4
Board_34-Net-(U6-DOUT): U6#25.1 U7#7.4
Board_34-Net-(U7-DOUT): U7#7.1 U8#22.4
Board_34-Net-(U8-DOUT): U8#22.1 U9#11.4
Board_35-+3V3: J1#3.1 J5#31.1 J7#5.1 U1#25.2 U2#9.2 U3#18.2 U4#48.2 U5#8.2 U6#21.2 U7#16.2 U8#33.2 U9#38.2
Board_35-GND: J2#33.1 J6#23.1 J8.1 U1#25.3 U2#9.3 U3#18.3 U4#48.3 U5#8.3 U6#21.3 U7#16.3 U8#33.3 U9#38.3
Board_35-LED_DATA: J3#19.1 J9#14.1 U1#25.4
Board_35-LED_OUT: J4#29.1 U9#38.1
Board_35-Net-(U1-DOUT): U1#25.1 U2#9.4
Board_35-Net-(U2-DOUT): U2#9.1 U3#18.4
Board_35-Net-(U3-DOUT): U3#18.1 U4#48.4
Board_35-Net-(U4-DOUT): U4#48.1 U5#8.4
Board_35-Net-(U5-DOUT): U5#8.1 U6#21.4
Board_35-Net-(U6-DOUT): U6#21.1 U7#16.4
Board_35-Net-(U7-DOUT): U7#16.1 U8#33.4
Board_35-Net-(U8-DOUT): U8#33.1 U9#38.4
Board_36-+3V3: J1#4.1 J5#42.1 J7#29.1 U1#13.2 U2#8.2 U3#11.2 U4#35.2 U5#19.2 U6#43.2 U7#47.2 U8#38.2 U9#29.2
Board_36-GND: J2#50.1 J6#29.1 J8#37.1 U1#13.3 U2#8.3 U3#11.3 U4#35.3 U5#19.3 U6#43.3 U7#47.3 U8#38.3 U9#29.3
Board_36-LED_DATA: J3#18.1 J9#19.1 U1#13.4
Board_36-LED_OUT: J4#36.1 U9#29.1
Board_36-Net-(U1-DOUT): U1#13.1 U2#8.4
Board_36-Net-(U2-DOUT): U2#8.1 U3#11.4
Board_36-Net-(U3-DOUT): U3#11.1 U4#35.4
Board_36-Net-(U4-DOUT): U4#35.1 U5#19.4
Board_36-Net-(U5-DOUT): U5#19.1 U6#43.4
Board_36-Net-(U6-DOUT): U6#43.1 U7#47.4
Board_36-Net-(U7-DOUT): U7#47.1 U8#38.4
Board_36-Net-(U8-DOUT): U8#38.1 U9#29.4
Board_37-+3V3: J1#31.1 J5#47.1 J7#16.1 U1#5.2 U2#22.2 U3#7.2 U4#36.2 U5#46.2 U6#24.2 U7#24.2 U8#44.2 U9#14.2
Board_37-GND: J2#27.1 J6#28.1 J8#45.1 U1#5.3 U2#22.3 U3#7.3 U4#36.3 U5#46.3 U6#24.3 U7#24.3 U8#44.3 U9#14.3
Board_37-LED_DATA: J3#40.1 J9#2.1 U1#5.4
Board_37-LED_OUT: J4#11.1 U9#14.1
Board_37-Net-(U1-DOUT): U1#5.1 U2#22.4
Board_37-Net-(U2-DOUT): U2#22.1 U3#7.4
Board_37-Net-(U3-DOUT): U3#7.1 U4#36.4
Board_37-Net-(U4-DOUT): U4#36.1 U5#46.4
Board_37-Net-(U5-DOUT): U5#46.1 U6#24.4
Board_37-Net-(U6-DOUT): U6#24.1 U7#24.4
Board_37-Net-(U7-DOUT): U7#24.1 U8#44.4
Board_37-Net-(U8-DOUT): U8#44.1 U9#14.4
Board_38-+3V3: J1#50.1 J5#16.1 J7#33.1 U1#21.2 U2#37.2 U3#36.2 U4#34.2 U5#11.2 U6#23.2 U7#27.2 U8#46.2 U9#44.2
Board_38-GND: J2#47.1 J6#13.1 J8#47.1 U1#21.3 U2#37.3 U3#36.3 U4#34.3 U5#11.3 U6#23.3 U7#27.3 U8#46.3 U9#44.3
Board_38-LED_DATA: J3#16.1 J9#40.1 U1#21.4
Board_38-LED_OUT: J4#15.1 U9#44.1
Board_38-Net-(U1-DOUT): U1#21.1 U2#37.4
Board_38-Net-(U2-DOUT): U2#37.1 U3#36.4
Board_38-Net-(U3-DOUT): U3#36.1 U4#34.4
Board_38-Net-(U4-DOUT): U4#34.1 U5#11.4
Board_38-Net-(U5-DOUT): U5#11.1 U6#23.4
Board_38-Net-(U6-DOUT): U6#23.1 U7#27.4
Board_38-Net-(U7-DOUT): U7#27.1 U8#46.4
Board_38-Net-(U8-DOUT): U8#46.1 U9#44.4
Board_39-+3V3: J1#27.1 J5#26.1 J7#48.1 U1#38.2 U2#11.2 U3#20.2 U4#11.2 U5#14.2 U6#12.2 U7#30.2 U8#28.2 U9#33.2
Board_39-GND: J2#45.1 J6#3.1 J8#9.1 U1#38.3 U2#11.3 U3#20.3 U4#11.3 U5#14.3 U6#12.3 U7#30.3 U8#28.3 U9#33.3
Board_39-LED_DATA: J3#5.1 J9#27.1 U1#38.4
Board_39-LED_OUT: J4#14.1 U9#33.1
Board_39-Net-(U1-DOUT): U1#38.1 U2#11.4
Board_39-Net-(U2-DOUT): U2#11.1 U3#20.4
Board_39-Net-(U3-DOUT): U3#20.1 U4#11.4
Board_39-Net-(U4-DOUT): U4#11.1 U5#14.4
Board_39-Net-(U5-DOUT): U5#14.1 U6#12.4
Board_39-Net-(U6-DOUT): U6#12.1 U7#30.4
Board_39-Net-(U7-DOUT): U7#30.1 U8#28.4
Board_39-Net-(U8-DOUT): U8#28.1 U9#33.4
Board_40-+3V3: J1#41.1 J5#37.1 J7#9.1 U1#50.2 U2#15.2 U3#22.2 U4#47.2 U5#25.2 U6#15.2 U7#46.2 U8#23.2 U9#31.2
Board_40-GND: J2#17.1 J6#44.1 J8#3.1 U1#50.3 U2#15.3 U3#22.3 U4#47.3 U5#25.3 U6#15.3 U7#46.3 U8#23.3 U9#31.3
Board_40-LED_DATA: J3#8.1 J9#16.1 U1#50.4
Board_40-LED_OUT: J4#3.1 U9#31.1
Board_40-Net-(U1-DOUT): U1#50.1 U2#15.4
Board_40-Net-(U2-DOUT): U2#15.1 U3#22.4
Board_40-Net-(U3-DOUT): U3#22.1 U4#47.4
Board_40-Net-(U4-DOUT): U4#47.1 U5#25.4
Board_40-Net-(U5-DOUT): U5#25.1 U6#15.4
Board_40-Net-(U6-DOUT): U6#15.1 U7#46.4
Board_40-Net-(U7-DOUT): U7#46.1 U8#23.4
Board_40-Net-(U8-DOUT): U8#23.1 U9#31.4
Board_41-+3V3: J1#17.1 J5#13.1 J7#26.1 U1#37.2 U2#41.2 U3#3.2 U4#31.2 U5#40.2 U6#28.2 U7#6.2 U8#48.2 U9#42.2
Board_41-GND: J2#42.1 J6#20.1 J8#8.1 U1#37.3 U2#41.3 U3#3.3 U4#31.3 U5#40.3 U6#28.3 U7#6.3 U8#48.3 U9#42.3
Board_41-LED_DATA: J3#11.1 J9#18.1 U1#37.4
